# Allegro board MK60_PACK_V10A.brd
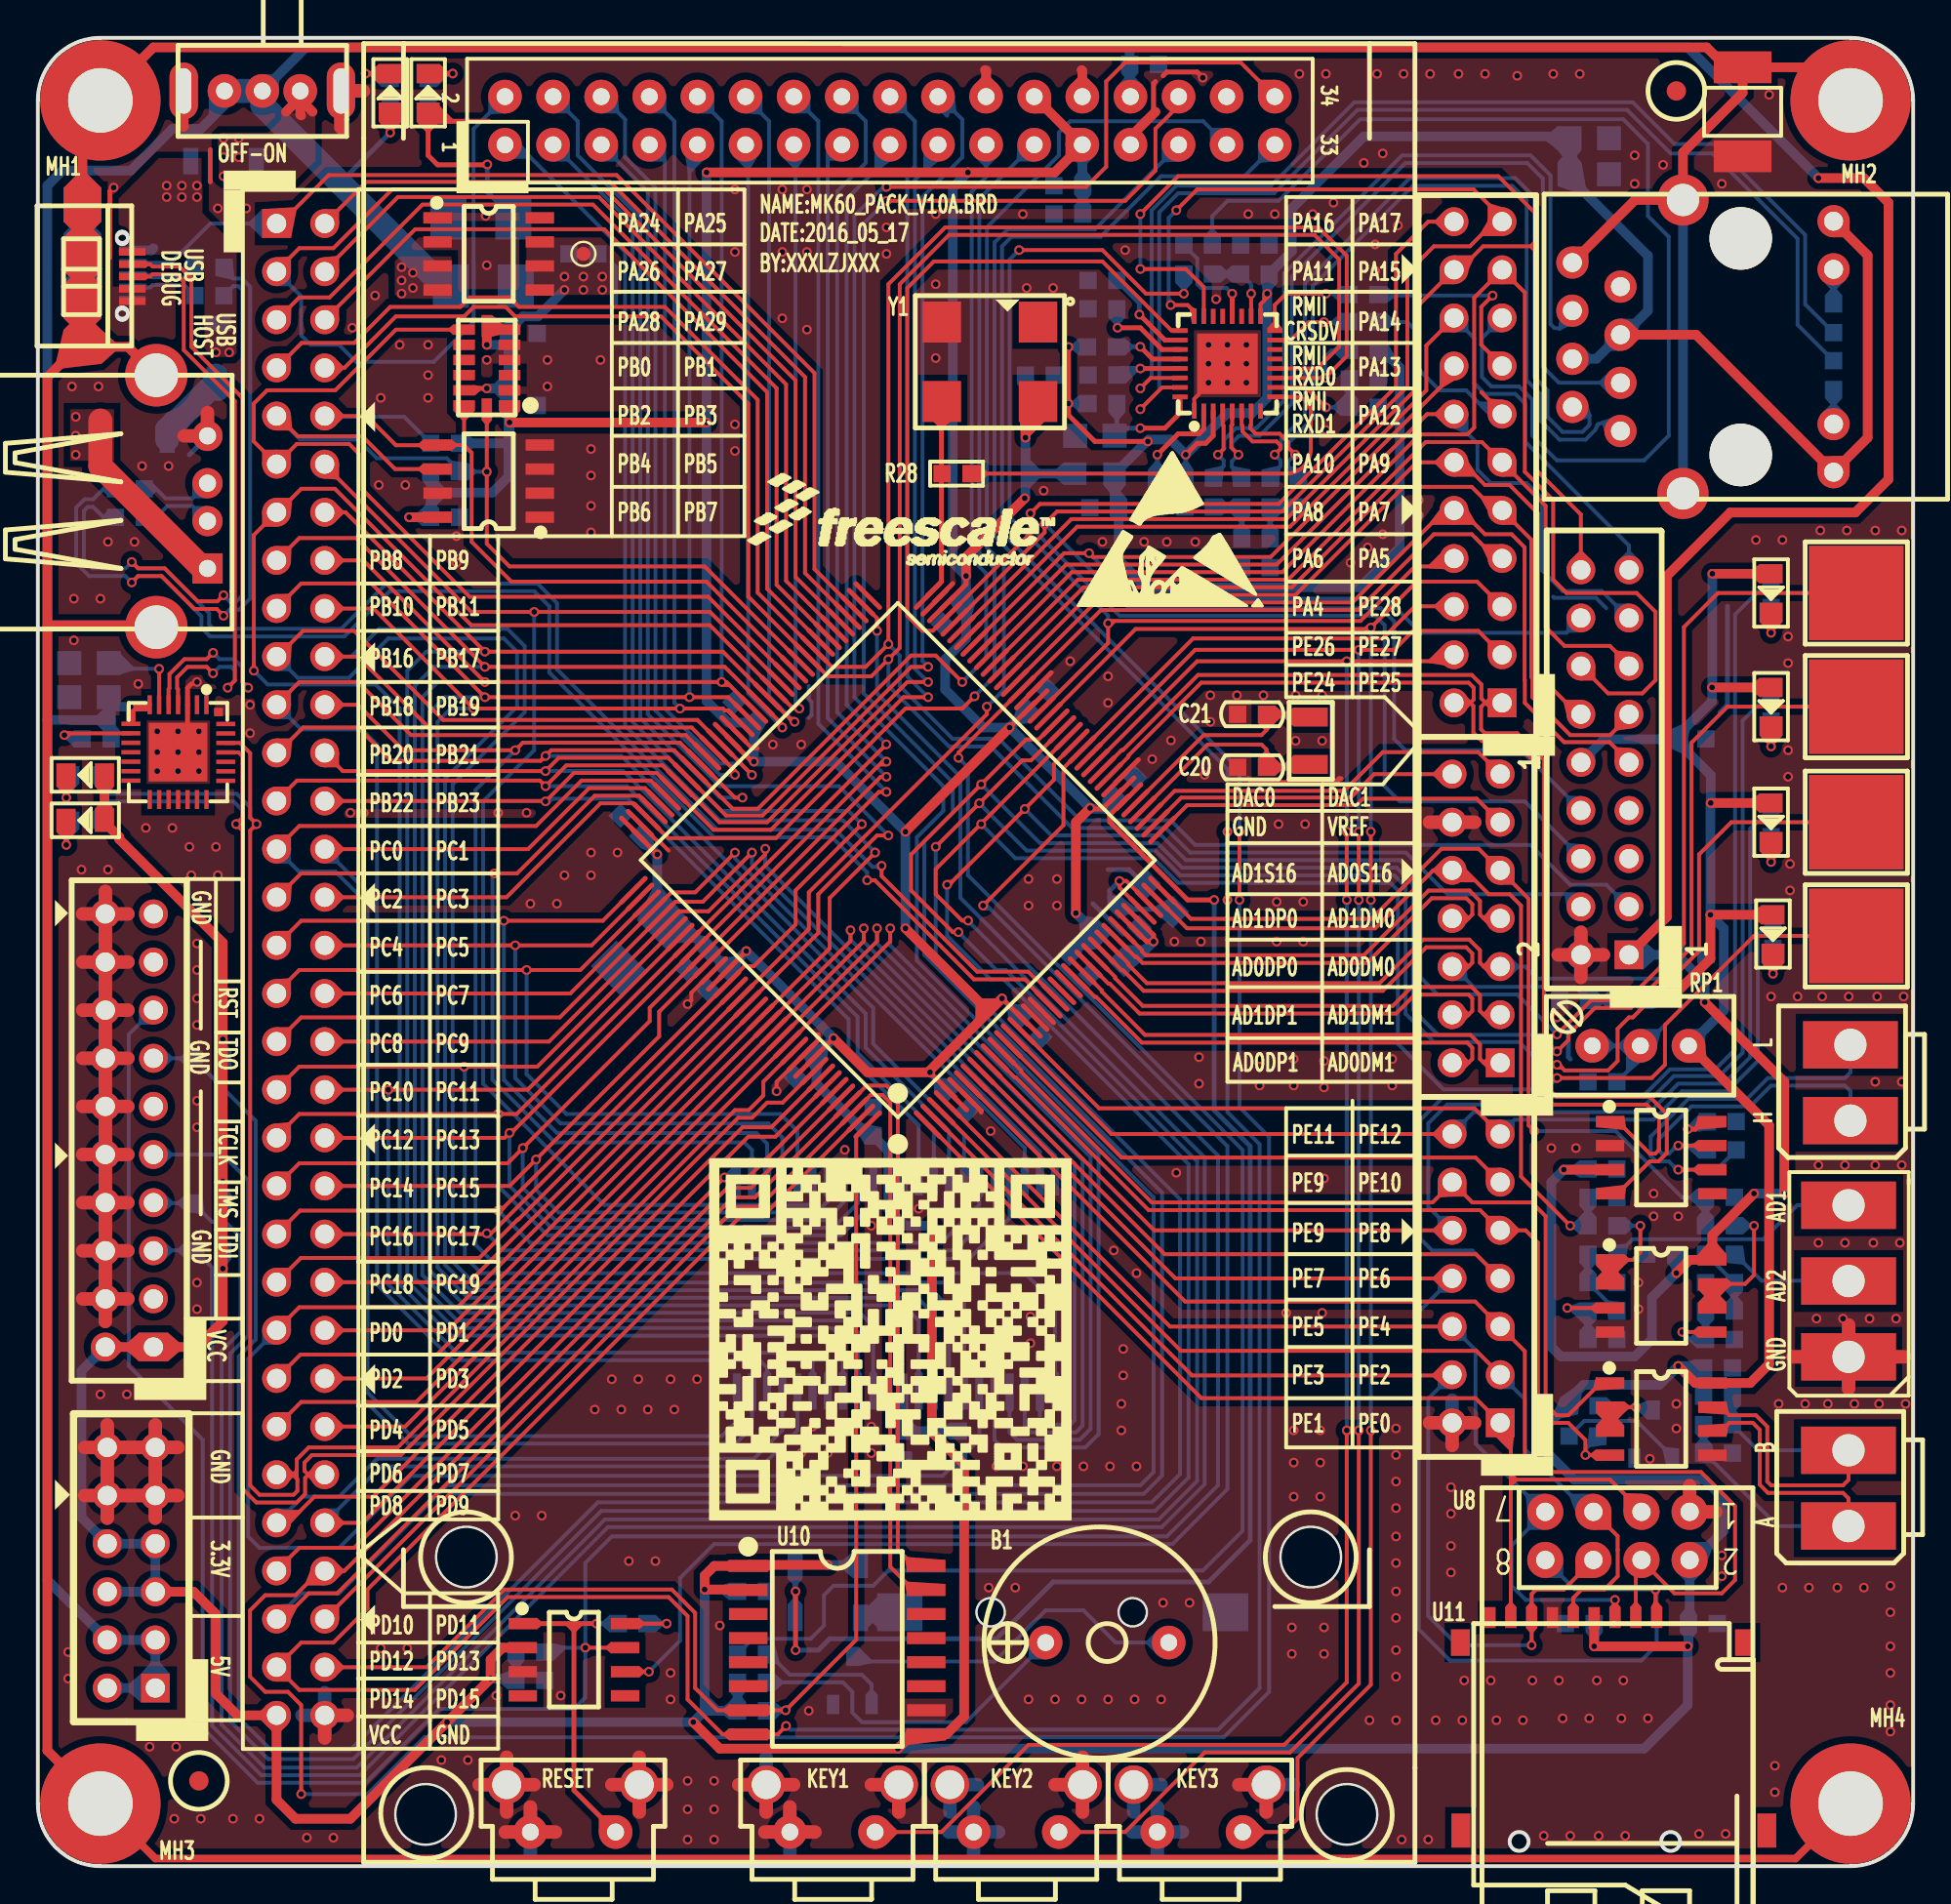
[diagram p0: board, top side]
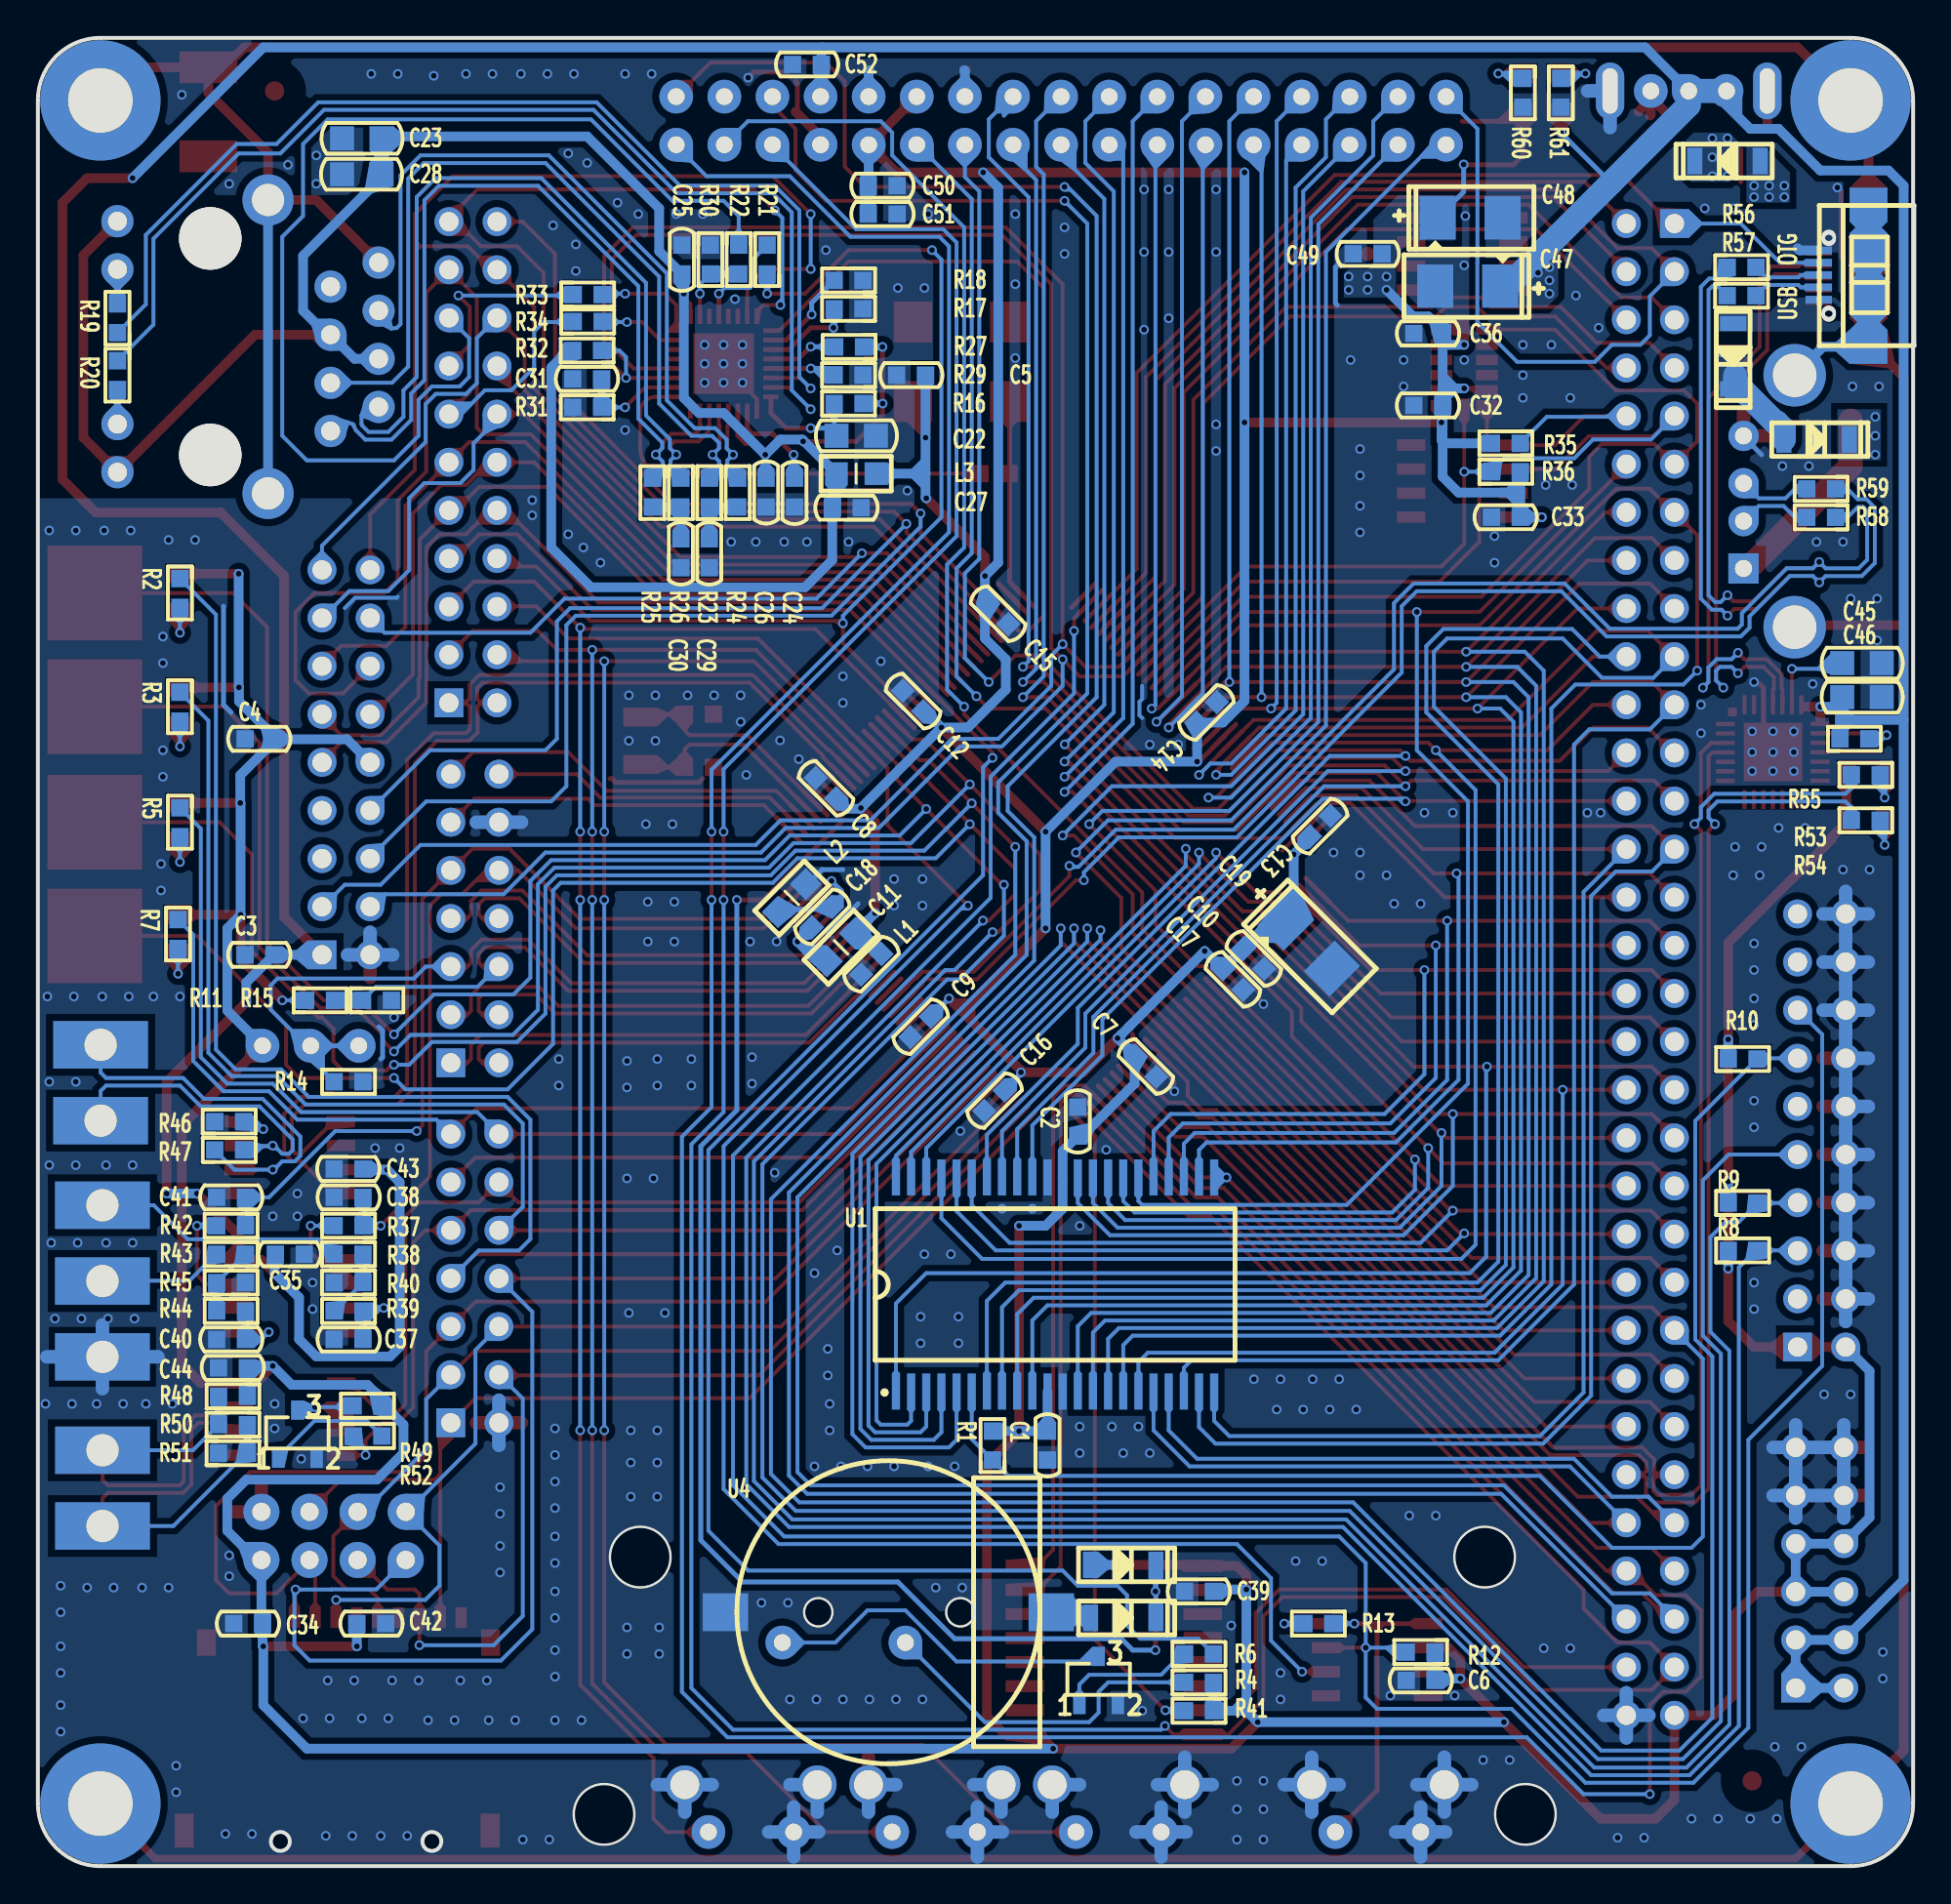
[diagram p1: board, bottom side, seen from below]

Outline 99 x 96.5 mm; copper layers: TOP, BOTTOM. Coordinates in mm from the lower left corner of the outline.
Outline path: 0,93.2 0,3.3 arc(0.97,0.97) 3.3,0 95.7,0 arc(98.03,0.97) 99,3.3 99,93.2 arc(98.03,95.53) 95.7,96.5 3.3,96.5 arc(0.97,95.53) 0,93.2

## Design rules (mm)
net group DP1: nets AD0_DM1 AD0_DP1
net group DP2: nets AD1_DM1 AD1_DP1
net group DP3: nets ADC0_DM0 ADC0_DP0
net group DP4: nets ADC1_DM0 ADC1_DP0
net group DP5: nets UART_RX UART_TX
net group DP6: nets CAN_RX CAN_TX
net group DP7: nets RX+ RX-
net group DP8: nets TX+ TX-
net group DP9: nets USB_DEBUG_DN USB_DEBUG_DP
net group DP10: nets USB_DN USB_DP
net group DP11: nets USB_HOST_DN USB_HOST_DP
net group DP12: nets USB_OTG_DN USB_OTG_DP
net group DP13: nets 485_R 485_T

## Placement (name value [footprint] x y rotation side)
B1  BEEP_HC12085P  [HC12085P]  53.2 11.8 0 top
BEAD1  FBMH4532HM132-T  [L1812]  90 92.6 270 top
C1  0.1uF_50V  [CC0603]  45.7 22.2 90 bottom
C2  0.1uF_50V  [CC0603]  44.1 39.3 90 bottom
C3  0.1uF_50V  [CC0603]  87.3 48.1 0 bottom
C4  0.1uF_50V  [CC0603]  87.3 59.5 0 bottom
C5  0.1uF_50V  [CC0603]  52.9 78.7 180 bottom
C6  0.1uF_50V  [CC0603]  26 9.8 180 bottom
C7  0.1uF_50V  [CC0603]  40.5 42.2 45 bottom
C8  0.1uF_50V  [CC0603]  57.4 56.9 225 bottom
C9  0.1uF_50V  [CC0603]  52.4 44.3 135 bottom
C10  0.1uF_50V  [CC0603]  34.8 47.9 45 bottom
C11  0.1uF_50V  [CC0603]  55 47.6 135 bottom
C12  0.1uF_50V  [CC0603]  52.8 61.5 225 bottom
C13  0.1uF_50V  [CC0603]  31.3 54.9 315 bottom
C14  0.1uF_50V  [CC0603]  37.3 60.9 315 bottom
C15  0.1uF_50V  [CC0603]  48.3 66.1 45 bottom
C16  0.1uF_50V  [CC0603]  48.5 40.4 135 bottom
C17  0.1uF_50V  [CC0603]  35.9 46.8 45 bottom
C18  0.1uF_50V  [CC0603]  57.6 50.1 135 bottom
C19  47uF_10V_3528  [CC3528_12]  33.1 49.8 225 bottom
C20  12pF_50V  [CC0603]  64.1 58 0 top
C21  12pF_50V  [CC0603]  64.1 60.8 0 top
C22  10uF_16V  [CC0805]  55.8 75.5 180 bottom
C23  10uF_16V  [CC0805]  81.9 91.2 180 bottom
C24  0.1uF_50V  [CC0603]  59.06 72.5 270 bottom
C25  0.1uF_50V  [CC0603]  65 84.8 270 bottom
C26  0.1uF_50V  [CC0603]  60.56 72.5 90 bottom
C27  0.1uF_50V  [CC0603]  56.3 71.7 0 bottom
C28  10uF_16V  [CC0805]  81.9 89.3 0 bottom
C29  0.1uF_50V  [CC0603]  63.56 69.3 270 bottom
C30  0.1uF_50V  [CC0603]  65.06 69.3 270 bottom
C31  0.1uF_50V  [CC0603]  70 78.5 0 bottom
C32  0.1uF_50V  [CC0603]  25.6 77.1 0 bottom
C33  0.1uF_50V  [CC0603]  21.5 71.2 0 bottom
C34  0.1uF_50V  [CC0603]  87.9 12.8 0 bottom
C35  0.1uF_50V  [CC0603]  85.7 32.3 0 bottom
C36  0.1uF_50V  [CC0603]  25.6 80.9 0 bottom
C37  0.1uF_50V  [CC0603]  82.6 27.8 180 bottom
C38  0.1uF_50V  [CC0603]  82.6 35.3 180 bottom
C39  0.1uF_50V  [CC0603]  37.7 14.5 0 bottom
C40  0.1uF_50V  [CC0603]  88.8 27.8 180 bottom
C41  0.1uF_50V  [CC0603]  88.8 35.3 180 bottom
C42  0.1uF_50V  [CC0603]  81.4 12.8 180 bottom
C43  0.1uF_50V  [CC0603]  82.6 36.8 0 bottom
C44  0.1uF_50V  [CC0603]  88.7 26.3 0 bottom
C45  10uF_16V  [CC0805]  2.7 63.5 180 bottom
C46  10uF_16V  [CC0805]  2.7 61.7 180 bottom
C47  47uF_10V  [CC3528_12]  21.8 83.4 0 bottom
C48  47uF_10V  [CC3528_12]  25.1 87 180 bottom
C49  0.1uF_50V  [CC0603]  28.8 85.1 180 bottom
C50  0.1uF_50V  [CC0603]  54.4 88.7 0 bottom
C51  0.1uF_50V  [CC0603]  54.4 87.2 0 bottom
C52  0.1uF_50V  [CC0603]  58.4 95.1 180 bottom
D1  LED_RED  [LED0805]  91.5 67.2 270 top
D2  LED_RED  [LED0805]  91.5 61.2 270 top
D3  LED_RED  [LED0805]  91.5 55.1 270 top
D4  LED_RED  [LED0805]  91.6 49.2 270 top
D5  MBR0520_SOD123  [SOD123]  43.3 15.9 180 bottom
D6  MBR0520_SOD123  [SOD123]  43.3 13.1 180 bottom
D7  LED_RED  [LED0805]  2.5 57.6 180 top
D8  LED_GREEN  [LED0805]  2.5 55.2 180 top
D9  MBR0520_SOD123  [SOD123]  6.7 75.3 180 bottom
D10  MBR0520_SOD123  [SOD123]  9.5 81.3 270 bottom
D11  LED_GREEN  [LED0805]  20.6 93.6 90 top
D12  LED_GREEN  [LED0805]  18.6 93.6 90 top
D13  MBR0520_SOD123  [SOD123]  8.2 90 0 bottom
J1  CONN RCPT 32x2  [HEADER32X2]  12.6 86.7 270 top
J2  TFTLCD  [TFTLCD_3R5]  65.3 93.4 270 top
J3  DIP2/10/2.54MM  [HEADER10X2]  6.1 27.4 90 top
J4  CONN RCPT 11x2  [HEADER11X2]  77.3 61.4 90 top
J5  OV7620  [OV2640]  84 48.1 90 top
J6  CONN RCPT 7x2  [HEADER7X2]  77.2 42.4 90 top
J7  CONN RCPT 7x2  [HEADER7X2]  77.2 23.4 90 top
J8  CONN RCPT 6X2  [HEADER6X2]  6.2 9.4 90 top
J9  -  [HR911105A]  89.9 80.2 270 top
J10  CONN RCPT 3  [POWER3A]  96.6 30.9 180 top
J11  CAN  [POWER2A]  98.6 45.4 180 top
J12  RS485  [POWER2A]  98.5 24 180 top
L1  BEAD_BLM21PG600  [LC0805]  56.6 48.5 315 bottom
L2  BEAD_BLM21PG600  [LC0805]  59.2 51.1 315 bottom
L3  BEAD_BLM18PG600_0805  [LC0805]  55.8 73.5 0 bottom
MH1  Hold  [HOLD250D134]  3.3 93.2 0 top
MH2  Hold  [HOLD250D134]  95.7 93.2 0 top
MH3  Hold  [HOLD250D134]  3.3 3.3 0 top
MH4  Hold  [HOLD250D134]  95.7 3.3 0 top
MP1  MarkPoint  [MARKPOINT_R3]  86.5 93.7 0 top
MP2  MarkPoint  [MARKPOINT_R3]  8.5 4.5 0 top
NOREF  -  []  0 6.5 0 top
NOREF#2  -  []  8.4 0 90 top
Q1  S8050_SOT23_NPN  [SOT23_123]  43 9.8 180 bottom
Q2  S8050_SOT23_NPN  [SOT23_123]  85.3 22.8 180 bottom
R1  10K  [RC0603]  48.6 22.2 270 bottom
R2  1K  [RC0603]  91.5 67.2 90 bottom
R3  1K  [RC0603]  91.5 61.2 90 bottom
R4  100R  [RC0603]  37.7 9.7 0 bottom
R5  1K  [RC0603]  91.5 55.1 90 bottom
R6  4.7K  [RC0603]  37.7 11.2 0 bottom
R7  1K  [RC0603]  91.6 49.2 90 bottom
R8  10K  [RC0603]  9 32.5 0 bottom
R9  10K  [RC0603]  9 35 0 bottom
R10  10K  [RC0603]  9 42.6 0 bottom
R11  10K  [RC0603]  84.1 45.7 0 bottom
R12  10K  [RC0603]  26 11.3 180 bottom
R13  0R/NI  [RC0603]  31.4 12.8 180 bottom
R14  10K  [RC0603]  82.6 41.4 0 bottom
R15  10K  [RC0603]  81.1 45.7 0 bottom
R16  10K  [RC0603]  56.2 77.2 0 bottom
R17  4.7K  [RC0603]  56.2 82.2 180 bottom
R18  4.7K  [RC0603]  56.2 83.7 180 bottom
R19  510R  [RC0603]  94.8 81.7 270 bottom
R20  510R  [RC0603]  94.8 78.7 90 bottom
R21  22R  [RC0603]  60.5 84.8 270 bottom
R22  22R  [RC0603]  62 84.8 90 bottom
R23  49.9R  [RC0603]  63.56 72.5 90 bottom
R24  49.9R  [RC0603]  62.06 72.5 90 bottom
R25  49.9R  [RC0603]  66.56 72.5 90 bottom
R26  49.9R  [RC0603]  65.06 72.5 90 bottom
R27  4.7K  [RC0603]  56.17 80.19 180 bottom
R28  22R  [RC0603]  48.5 73.5 0 top
R29  4.7K  [RC0603]  56.2 78.7 180 bottom
R30  4.7K  [RC0603]  63.5 84.8 90 bottom
R31  6.49K  [RC0603]  70 77 180 bottom
R32  4.7K  [RC0603]  70 80 180 bottom
R33  22R  [RC0603]  69.97 82.95 0 bottom
R34  22R  [RC0603]  69.97 81.53 0 bottom
R35  4.7K  [RC0603]  21.5 75.1 180 bottom
R36  4.7K  [RC0603]  21.5 73.6 0 bottom
R37  10K  [RC0603]  82.6 33.8 180 bottom
R38  4.7K  [RC0603]  82.6 32.3 180 bottom
R39  4.7K  [RC0603]  82.6 29.3 180 bottom
R40  4.7K  [RC0603]  82.6 30.8 180 bottom
R41  10K  [RC0603]  37.7 8.2 180 bottom
R42  10K  [RC0603]  88.8 33.8 180 bottom
R43  4.7K  [RC0603]  88.8 32.3 180 bottom
R44  4.7K  [RC0603]  88.8 29.3 180 bottom
R45  4.7K  [RC0603]  88.8 30.8 0 bottom
R46  10K  [RC0603]  88.9 39.3 0 bottom
R47  120R  [RC0603]  88.9 37.8 0 bottom
R48  1K  [RC0603]  88.7 24.8 180 bottom
R49  4.7K  [RC0603]  81.6 24.3 0 bottom
R50  120R  [RC0603]  88.7 23.3 180 bottom
R51  1K  [RC0603]  88.7 21.8 0 bottom
R52  510R  [RC0603]  81.6 22.7 0 bottom
R53  1K  [RC0603]  2.5 57.6 180 bottom
R54  1K  [RC0603]  2.5 55.2 180 bottom
R55  10K  [RC0603]  3.1 59.5 0 bottom
R56  22R  [RC0603]  9.05 84.39 0 bottom
R57  22R  [RC0603]  9.05 82.89 0 bottom
R58  22R  [RC0603]  4.85 71.19 180 bottom
R59  22R  [RC0603]  4.85 72.69 180 bottom
R60  1K  [RC0603]  20.6 93.6 90 bottom
R61  1K  [RC0603]  18.6 93.6 90 bottom
RP1  10K  [VISHAY_RES_VAR_64W]  84.6 43.3 180 top
SW1  KEY1  [SW-6X6X6-L]  39.7 1.8 0 top
SW2  RESET  [SW-6X6X6-L]  26 1.8 0 top
SW3  KEY2  [SW-6X6X6-L]  49.4 1.8 0 top
SW4  KEY3  [SW-6X6X6-L]  59.1 1.8 0 top
SW5  -  [SWITCH_3P]  16 93.7 180 top
T1  TouchPad  [TOUCHPAD]  96 67.2 0 top
T2  TouchPad  [TOUCHPAD]  96 61.2 0 top
T3  TouchPad  [TOUCHPAD]  96 55.1 0 top
T4  TouchPad  [TOUCHPAD]  96 49.1 0 top
TP1  TestPoint  [TP-0R75]  28.8 85.1 0 top
U1  IS62WV51216  [TSOP-44]  45.3 30.7 90 bottom
U2  MK60DN512VLQ10  [LQFP144]  45.4 53.1 135 top
U3  SP706REN  [SOIC8]  28.3 10.9 270 top
U4  BATTERY  [CR1220]  61.5 13.4 180 bottom
U5  KSZ8041NL  [MLF-32]  62.8 79.3 90 top
U6  ADXL345  [LGA-14]  24.9 77.1 180 top
U7  AT24C512  [SOIC8]  23.8 73.1 90 top
U8  -  [NRF24L01PACK]  87.2 18.7 180 top
U9  LM2904QDR  [SOIC8]  85.7 30.1 270 top
U10  W25Q128FVFG  [SOIC16W]  42.2 11.4 0 top
U11  -  [TFCARD]  83.2 12.8 0 top
U12  TJA1050T/CM  [SOIC8]  85.7 37.4 270 top